# Altium PCB Dashcam_V2.0B.PcbDoc (part 6 of 8)
Units mil, origin at the board's own origin, x right, y up, seen from the top; angles counter-clockwise.
Board outline 3544.65 x 2560.37 mil, 8 copper layers (TOP, L2_GND, L3_IN1, L4_IN2, L5_PWR2, L6_PWR1, L7_GND_2, BOTTOM), stack 48.184 mil thick; 411 components, 365 nets, 2257 pads, 1045 vias.
Unrouted connection lines stored in the file: 2.
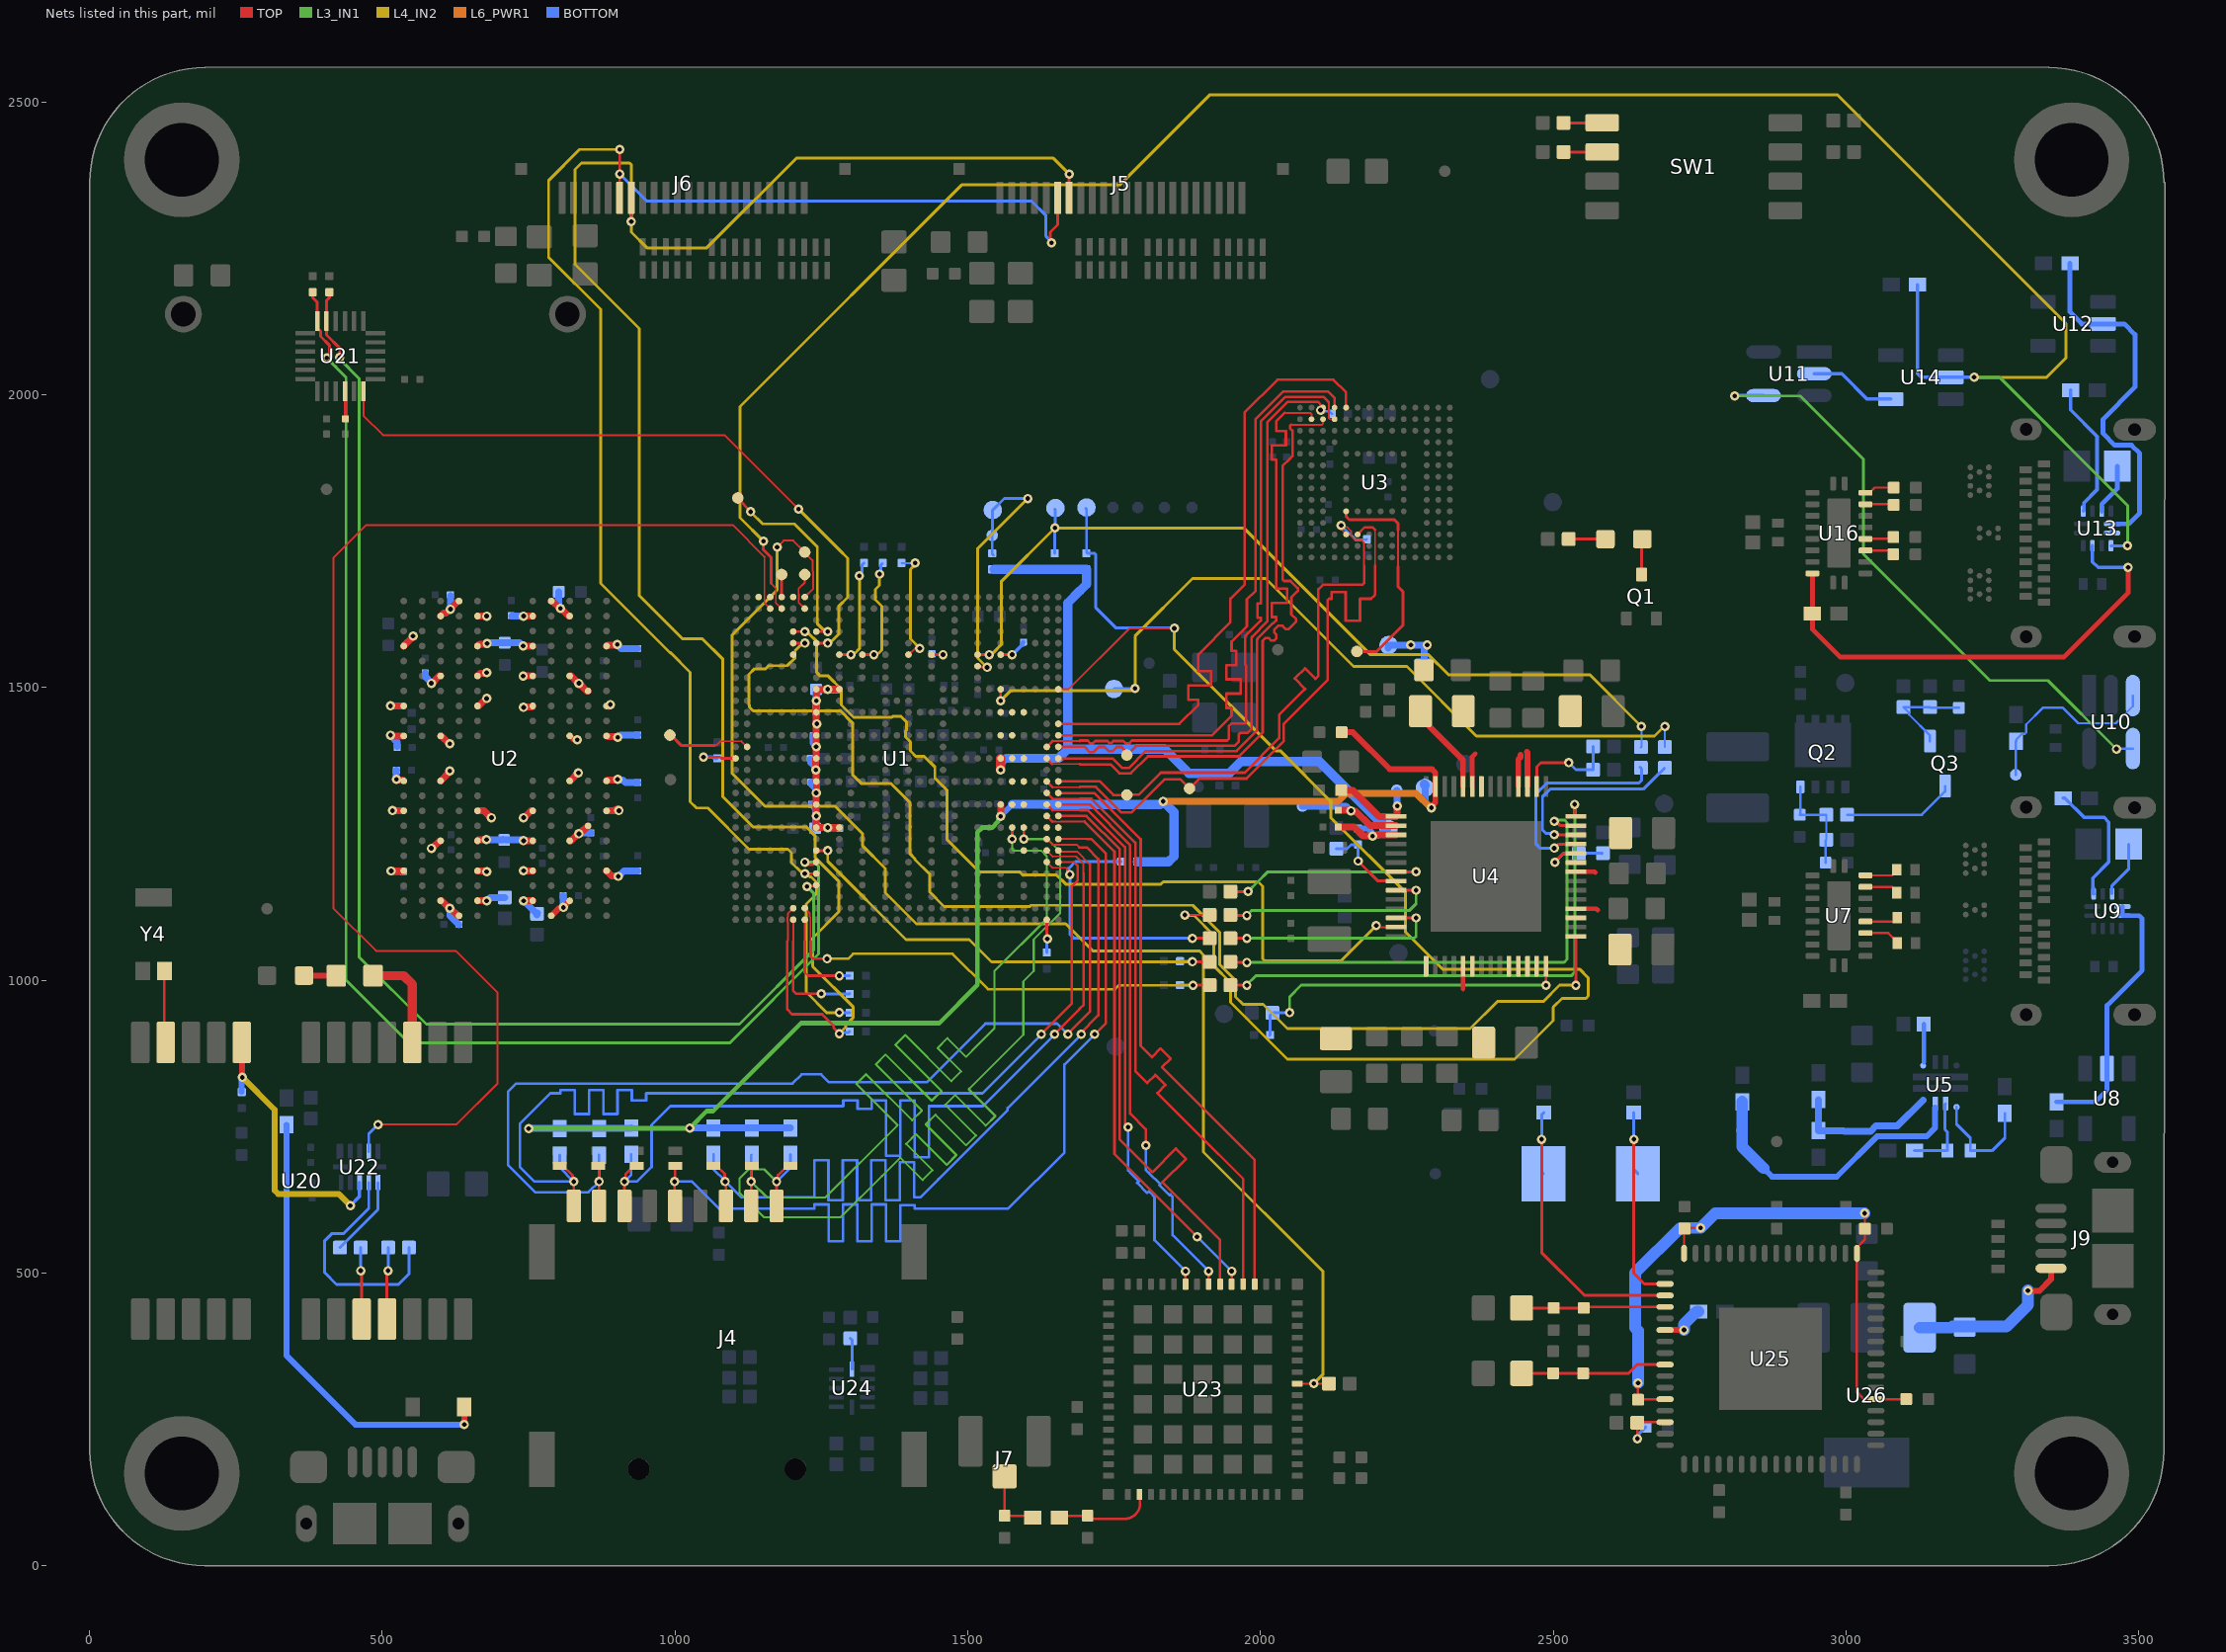
[diagram p12: the nets of this part, all layers, seen from the top]

## Via types
v1: diameter 15.98, hole 8, TOP to BOTTOM, tented both sides, 645 vias
v2: diameter 15.98, hole 7.99, TOP to BOTTOM, tented both sides, 382 vias
v3: diameter 15.98, hole 7.99, TOP to BOTTOM, 8 vias
v4: diameter 19.68, hole 7.87, TOP to BOTTOM, 6 vias
v5: diameter 19.68, hole 19.68, TOP to BOTTOM, 4 vias

## Nets (pads, with @x,y where several pads share a name; then routed paths per layer and width w, separated by ;. In a path a pad name is that pad's centre, name@x,y a point inside that pad or via, vN(x,y) a via of type N, cw(c..) or ccw(c..) an arc to the next point about the centre after c; other vN are vias at no path point) (continued)
GPIO1_IO00: R113.2 TP21.1 U1.A7 U23.42 | length 2413.9
  TOP w3.35: v1(1174.4,1739.97) 1185.41,1750.98 1201.88,1750.98 TP21.1@1221.57,1731.3 ; U1.A7@1221.57,1654.53 1236.22,1669.18 1236.22,1697.66 1234.63,1699.25 1234.63,1717.23 TP21.1@1221.57,1730.29 ; U23.42@2062.99,311.02 v1(2091,311.02) R113.2@2116.93,311.02
  L4_IN2 w5: v1(1174.4,1739.97) 1174.4,1666.52 1097.44,1589.57 1097.44,1353.35 1153.78,1297.01 1273.62,1297.01 ; 1272.64,1297.24 1273.39,1297.24 1319.88,1250.75 1319.88,1230.31 1359.25,1190.94 1359.25,1149.35 1412.14,1096.46 1667.32,1096.46 1713.58,1050.2 1895.67,1050.2 1902.56,1043.31 1902.56,706.69 2107.05,502.2 2107.05,327.07 2091.98,312.01 v1@2091.54,312.01
GPIO1_IO01: U1.E8 U21.12 | length 1150.6
  TOP w3.35: U21.12@467.64,2005.89 467.64,1964.45 500.98,1931.1 1084.69,1931.1 v1(1210.91,1804.89)
  TOP w4.72: U1.E8@1241.25,1575.79 v2(1260.74,1575.79)
  L4_IN2 w5: v1(1210.91,1804.89) 1280.17,1735.63 1295,1720.79 1295,1654 1279.53,1638.54 1279.53,1590.94 1267.57,1578.98 1266.9,1578.98 1262.92,1575 v2@1261,1575
GPIO1_IO05: U1.B4 U22.4 | length 2254.1
  TOP w3: 1152.61,1723.61 1152.61,1650.7 1152.83,1650.49 1152.83,1644.53
  TOP w3.35: v1@492.7,753.36 626.39,753.36 696.85,823.82 696.85,978.35 625,1050.2 489.17,1050.2 416.34,1123.03 416.34,1721.46 472.44,1777.56 1098.43,1777.56 1152.83,1723.16 ; 1152.83,1644.53 U1.B4@1162.51,1634.84
  BOTTOM w5: U22.4@476.87,707.67 476.87,737.61 v1(492.62,753.36)
GPIO1_IO06: U1.A3
GPIO1_IO07: U1.F6
GPIO1_IO10: TP31.1 U1.B7 | length 67.3
  TOP w3: 1211,1645.41 1211,1649.92 1211.59,1650.51 1211.59,1658.55 1211,1659.14 1211,1668.8
  TOP w3.35: 1211,1645.41 U1.B7@1221.57,1634.84 ; 1211,1668.8 1221.57,1679.36 TP31.1@1221.57,1692.91
GPIO1_IO11: TP32.1 U1.D8 | length 346.1
  TOP w4.72: TP32.1@1108.27,1824.8 1108.27,1821.85 1128.94,1801.18 v1(1128.94,1800.2) ; U1.D8@1241.25,1595.47 v2(1260.74,1595.47)
  L4_IN2 w4.72: v1(1128.94,1800.2) 1149.61,1779.53 1203.74,1779.53 1243,1740.27 1243,1609 1253.2,1598.8 1254.37,1598.8 1257.69,1595.47 v2(1260.74,1595.47)
GPIO1_IO12: TP33.1 U1.A5 | length 38.4
  TOP w5: U1.A5@1182.2,1654.53 TP33.1@1182.2,1692.91
GPIO1_IO13: U1.A6
GPIO1_IO14: U1.A4
GPIO1_IO15: R69.1 U1.B5 U13.9 U14.2 | length 3952.9
  TOP w3: 1164,1678 1172.29,1669.71 1172.29,1644.75 U1.B5@1182.2,1634.84
  TOP w5: v1(1151,1750) 1151,1735.13 1164,1722.13 1164,1678
  L3_IN1 w5: v1(3219,2030) 3262.24,2030 3481,1811.24 v1(3481,1742.13)
  L4_IN2 w5: v1(1151,1750) 1111,1790 1111,1980 1489.5,2358.5 1759.5,2358.5 1913,2512 2986,2512 3376,2122 3376,2063 3343,2030 3221,2030 v1@3219,2032
  BOTTOM w5: U13.9@3452.76,1742.13 v1(3481,1742.13)
  BOTTOM w6: R69.1@3122.64,2188 3122.64,2036 3128.64,2030 U14.2@3179.18,2030 v1(3219,2030)
GPS_ANT: U20.11 Y4.1 | length 124.1
  TOP w4.4: Y4.1@125,1015.75 127.46,1013.29 127.46,896.16 U20.11@129.92,893.7
GPS_RXD_3V3: R126.2 U22.8 | length 401.7
  BOTTOM w5: U22.8@476.87,654.53 476.87,610.3 433.5,566.93 413.39,566.93 401.57,555.12 401.57,500.43 421.69,480.32 527.56,480.32 545.28,498.03 R126.2@545.28,543.31
GPS_TXD_3V3: R125.2 U22.7 | length 138.1
  BOTTOM w5: R125.2@427.65,543.31 492.62,608.27 U22.7@492.62,654.53
I2C1_SCL: R16.2 R46.1 U1.AC8 | length 782.9
  TOP w4.72: U1.AC8@1241.15,1221.33 v2(1260.83,1221.33)
  TOP w5: v2(1883.8,1031.52) R46.1@1913.08,1031.52
  L4_IN2 w4.72: v2(1260.83,1221.33) 1260.83,1203.17 1394.43,1069.57 1502.28,1069.57 1540.33,1031.52 v2(1883.8,1031.52)
  BOTTOM w5: R16.2@1862.48,1032.55 1863,1032.04 1883.28,1032.04 v2(1883.8,1031.52)
I2C1_SDA: R17.2 R48.1 U1.AH7 | length 823.3
  TOP w3: 1230,1114.6 1230,1108.65 1231.28,1107.37 1231.28,1066.94 1231.7,1066.52
  TOP w3.35: U1.AH7@1221.57,1123.03 1230,1114.6
  TOP w4.4: 1231.7,1066.52 1231.7,1040.55 1235.7,1036.55 v2(1259.7,1036.55)
  TOP w5: v2(1884.8,991.52) R48.1@1913.08,991.52
  L4_IN2 w4.4: v2(1259.7,1036.55) 1295.41,1036.55 1303.86,1045 1474,1045 1534.2,984.8 1751.51,984.8 1758.23,991.52 v2(1884.8,991.52)
  BOTTOM w5: R17.2@1862.48,991.55 v2@1884.78,991.54
I2C2_SCL: J5.16 J6.16 R18.2 U1.AH6 | length 3230.3
  TOP w3: 1191.8,1066.52 1193,1067.72 1193,1098.5 1192.17,1099.33 1192.17,1107.37 1193,1108.19 1193,1114.15
  TOP w3.35: 1193,1114.15 U1.AH6@1201.88,1123.03
  TOP w4.4: 1191.8,1066.52 1191.8,950.02 1199.85,941.97 1251.33,941.97 1270.68,922.62 1270.68,919.51 1280.62,909.57 v2(1280.62,908.81)
  TOP w5: v1(925.2,2296) J6.16@925.2,2336.61 ; J5.16@1673.23,2336.61 v1(1673.23,2377)
  L4_IN2 w5: v2(1280.62,908.81) 1280.62,909.14 1291.41,919.93 1291.41,923.47 1304.49,936.54 1304.49,954 1235,1023.49 1235,1072 1279.53,1116.53 1279.53,1169.47 1238.93,1210.07 1238.93,1247.2 1224.13,1262 1133,1262 1081.69,1313.31 1081.69,1548.23 1046.92,1583 1013.06,1583 938.98,1657.08 938.98,2113.02 829,2223 829,2384.76 840.24,2396 922.27,2396 925.2,2393.07 v1(925.2,2296) 925.2,2277.8 952,2251 1054,2251 1207,2404 1646.23,2404 v1(1673.23,2377)
  BOTTOM w5: v2(1280.62,908.81) 1282.56,910.74 1296.43,910.74 R18.2@1298.36,912.68
I2C2_SDA: J5.17 J6.17 R19.2 U1.AE8 | length 2865.3
  TOP w4.72: v2(1221.57,1181.85) 1221.8,1182.09 U1.AE8@1241.25,1182.09
  TOP w5: J6.17@905.51,2336.61 v1(905.51,2377.23) v1(905.51,2419) ; v1(1642.95,2259.61) 1640.85,2261.71 1640.85,2272.55 1640.79,2272.6 1640.79,2277.6 1653.54,2290.35 J5.17@1653.54,2336.61
  L4_IN2 w4.72: v1(905.51,2419) 837,2419 784,2366 784,2235 873,2146 873,1678 992,1559 ; 992,1560 1026,1526 1026,1305 1036.83,1294.17 1055.83,1294.17 1126,1224 1193,1224 1199,1218 1199,1201.21 1214.79,1185.41 1214.96,1185.41 1218.52,1181.85 v2(1221.57,1181.85) 1224.62,1181.85 1229.91,1176.56 1232.2,1176.56 1241.78,1166.98 1241.78,1147.78 1224,1130 1224,979.87 1259.19,944.68 v2(1280.62,944.68)
  BOTTOM w5: v1@905,2376 906.74,2376 951.74,2331 1609,2331 1633,2307 1633,2271.57 1642.95,2261.63 v1(1642.95,2259.61) ; v2(1280.62,944.68) R19.2@1298.36,944.68
I2C3_SCL: R20.2 U1.AJ7 | length 169.2
  TOP w3.35: 1221.57,1066.52 U1.AJ7@1221.57,1103.35
  TOP w4.4: 1221.57,1066.52 1221.57,1013.25 1227.14,1007.68 v2(1280.62,1007.68)
  BOTTOM w5: v2(1280.62,1007.68) R20.2@1298.36,1007.68
I2C3_SDA: R21.2 U1.AJ6 | length 220.1
  TOP w3.35: 1201.88,1066.52 U1.AJ6@1201.88,1103.35
  TOP w4.4: 1201.88,1066.52 1201.88,981.94 1207.14,976.68 1249.68,976.68 v2(1250,977)
  BOTTOM w5: v2(1250,977) 1250.16,976.84 1297.74,976.84 R21.2@1298.08,977.18
I2C4_SCL: R133.1 U1.AF8 U21.23 | length 2166.6
  TOP w4.72: v2(1225.42,1160.2) 1226.52,1161.3 1240.15,1161.3 U1.AF8@1241.25,1162.4
  TOP w5: R133.1@409.45,2175.2 409.45,2165.81 404.64,2161 U21.23@404.64,2126.01 404.64,2102.21 427.07,2079.79 v1(427.07,2064.05)
  L3_IN1 w5: v1(427.07,2064.05) 427.07,2061.12 460,2028.19 460,1040 575,925 1110.04,925 1236.33,1051.3 1236.33,1149.21 1225.42,1160.12 v2(1225.42,1160.2)
I2C4_SDA: R132.1 U1.AD8 U21.24 | length 2317
  TOP w4.72: v2(1221.57,1201.77) 1224.62,1201.77 1229.04,1197.35 1235.14,1197.35 1239.57,1201.77 U1.AD8@1241.25,1201.77
  TOP w5: R132.1@381.02,2175.2 381.02,2165.81 388.9,2157.93 U21.24@388.9,2126.01 388.9,2114.03 394.42,2108.51 394.42,2099.8 409.45,2084.77 409.45,2067.31 v1(404.96,2062.82)
  L3_IN1 w5: v1(404.96,2062.82) 438,2029.78 438,1000.26 545.63,892.64 1093.15,892.64 1245.27,1044.76 1245.27,1194.69 1238.19,1201.77 v2(1221.57,1201.77)
NetC64_2: C64.2 U1.F24 | length 55.3
  TOP w4.72: U1.F24@1556.21,1556.1 v2(1575.9,1556.1)
  L3_IN1 w3.35: v2@1575.47,1554.52 v2@1576.05,1555.1
  BOTTOM w6: v2(1575.9,1556.1) 1592.14,1572.34 1592.14,1574.68 C64.2@1595.14,1577.69
  BOTTOM w7.87: C64.2@1593.07,1573.28 1593.07,1575.62 C64.2@1595.14,1577.69
NetC65_2: C65.2 U1.F18 | length 38.1
  TOP w4.72: U1.F18@1438.1,1556.1 v2(1457.79,1556.1)
  L3_IN1 w3.35: v2@1457.47,1555.52 v2@1458.05,1556.1
  BOTTOM w4.72: C65.2@1440.8,1557.52 1441.5,1556.82 1457.08,1556.82 v2(1457.79,1556.1)
NetC110_1: C110.1 TP41.1 U4.2 | length 197.2
  TOP w11.81: C110.1@2132.79,1290.52 2152.6,1290.52 2153.57,1289.55 v2(2154.7,1289.55) ; v2@2155.59,1289.55 v2(2154.7,1289.55) ; U4.2@2231.8,1264 2187.25,1264 2162.5,1288.75 2155.5,1288.75 v2(2154.7,1289.55)
  BOTTOM w11.81: TP41.1@2071.7,1297.55 2145.57,1297.55 2153.57,1289.55 v2(2154.7,1289.55)
NetC115_1: C115.1 TP43.1 U4.1 | length 158.7
  TOP w11.81: C115.1@2137.69,1324.52 2157.8,1324.52 2202.57,1279.75 U4.1@2231.8,1279.75 2232.9,1280.86 2232.9,1296.75 v2(2233.7,1297.55)
  BOTTOM w11.81: TP43.1@2232.7,1324.55 2233.2,1324.05 2233.2,1298.05 v2(2233.7,1297.55)
NetC138_2: C138.2 U5.7 | length 65
  BOTTOM w8: 3133.07,860.24 C138.2@3133.07,925.2
NetC139_2: C139.2 U7.19 | length 58.4
  TOP w4.02: U7.19@3033.47,1179.13 3078.74,1179.13 3086.61,1187.01 C139.2@3086.61,1188.98
NetC140_2: C140.2 U7.18 | length 58.4
  TOP w4.02: U7.18@3033.47,1159.45 3078.74,1159.45 3086.61,1151.57 C140.2@3086.61,1149.61
NetC141_2: C141.2 U7.15 | length 57.1
  TOP w4.02: U7.15@3033.47,1100.39 3081.75,1100.39 3087.61,1106.26 C141.2@3087.61,1106.74
NetC142_2: C142.2 U7.14 | length 62.5
  TOP w4.02: U7.14@3033.47,1080.71 3072.31,1080.71 3087.61,1065.4 C142.2@3087.61,1063.43
NetC146_1: C146.1 C147.1 Q2.G R59.1 R60.2 | length 175.7
  BOTTOM w4.02: Q2.G@2922.24,1330.32 2922.24,1283.66 C147.1@2921.26,1282.68 R60.2@2966.54,1282.68 R59.1@2966.54,1240.16 2965.35,1238.98 C146.1@2965.35,1200.79
NetC153_2: C153.2 Q3.G R62.2 R65.2 | length 172
  BOTTOM w4.02: Q3.G@3143.7,1408.27 3143.7,1417.91 3108.01,1453.6 3108.01,1456.95 R62.2@3098.43,1466.54 R65.2@3143.7,1466.54 3144.88,1465.35 C153.2@3192.91,1465.35
NetC192_2: C192.2 U21.10 | length 47.5
  TOP w5: U21.10@436.14,2005.89 436.89,2005.14 436.89,1970.17 436.57,1969.85 436.57,1959.49 C192.2@437.01,1959.06
NetC212_2: C212.2 C213.2 FB11.2 U25.9 | length 251.2
  TOP w5: FB11.2@2446.06,328.55 C212.2@2500,328.55 C213.2@2551.18,328.55 2628.74,328.55 2643.7,343.51 U25.9@2691.06,343.51
NetC214_2: C214.2 R156.1 U25.14 | length 100.4
  TOP w4.02: R156.1@2643.7,244.09 R156.1@2644.69,245.09
  TOP w4.4: v1@2643.7,217.3 R156.1@2643.7,244.09 ; R156.1@2644.69,245.09 U25.14@2691.06,245.09
  BOTTOM w5: v1(2644,217) 2646.29,219.29 2646.29,225.19 C214.2@2658.1,237
NetC215_2: C215.2 C216.2 FB12.2 U25.4 | length 245.7
  TOP w5: FB12.2@2446.06,440.16 C215.2@2501,440.16 C216.2@2552.18,440.16 2553.96,441.94 U25.4@2691.06,441.94
NetC218_2: C218.2 C219.2 C220.2 C221.2 U25.12 U25.37 U25.49 U25.64 | length 1171.8
  TOP w4.02: C218.2@2644.88,283.46 C218.2@2645.87,284.46 ; U25.64@2723.54,533.47 2723.54,574.72 2725.82,577 v1(2752,577) ; v1(3032,602) 3032.4,601.6 C221.2@3032.4,575.59 3032.4,556.9 3018.82,543.31 U25.49@3018.82,533.47 3018.82,296.18 3030.54,284.46 U25.37@3051.3,284.46 C220.2@3103.15,284.46
  TOP w4.4: C218.2@2644.88,283.46 2644.88,302.96 2643.7,304.14 2643.7,310.7 v1(2645,312) ; C218.2@2645.87,284.46 U25.12@2691.06,284.46
  BOTTOM w20: v1(2645,312) 2645,401.5 2640,406.5 2640,499.87 2717.13,577 v1(2752,577) 2777,602 v1(3032,602)
NetC222_2: C222.2 J9.1 U26.3 | length 286.9
  TOP w10: v1@3315.94,469.49 3330.71,469.49 3350.39,489.17 J9.1@3350.39,507.87
  BOTTOM w20: U26.3@3125.98,406.5 3180.12,406.5 3182.12,408.5 3273.87,408.5 3311,445.63 v1(3311,470)
NetC224_2: C224.2 U25.2 Y5.1 | length 397
  TOP w5: v1(2637.8,728.35) 2637.8,499.2 2655.69,481.31 U25.2@2691.06,481.31
  BOTTOM w5: C224.2@2637.8,774.02 v1(2637.8,728.35) 2637.8,676.56 Y5.1@2644.7,669.65
NetC225_2: C225.2 U25.3 Y5.2 | length 541.9
  TOP w5: v1(2480.32,728.35) 2480.32,534.69 2553.38,461.62 U25.3@2691.06,461.62
  BOTTOM w5: Y5.2@2483.28,669.65 2480.32,672.62 v1(2480.32,728.35) 2480.32,770.08 C225.2@2484.25,774.02
NetD1_1: D1.1 Q1.D | length 61.2
  TOP w5: Q1.D@2650.8,1692.92 2650.8,1752.02 D1.1@2652.29,1753.52
NetD1_2: D1.2 R15.1 | length 62.8
  TOP w5: R15.1@2526.51,1753.52 D1.2@2589.3,1753.52
NetD20_1: D20.1 R130.1 | length 777.3
  TOP w10: D20.1@639.8,271 639.9,270.9 639.9,241.1 v1(640,241)
  BOTTOM w10: R130.1@336,753.36 336,359 454,241 v1(640,241)
NetD21_2: D21.2 R131.2 | length 55.1
  TOP w10: D21.2@366.14,1007.87 R131.2@421.26,1007.87
NetL1_1: L1.1 U4.45 U4.46 | length 115.1
  TOP w10: U4.46@2440.46,1330.93 2440.46,1377.46 2444,1381 2444,1385 ; 2455,1390 2456.2,1388.8 U4.45@2456.2,1330.93
NetL2_1: L2.1 U4.36 U4.37 | length 33.6
  TOP w8: U4.36@2538.88,1185.26 2570.74,1185.26 2572,1184
NetL3_1: L3.1 U4.31 U4.32 | length 38.1
  TOP w8: U4.32@2538.88,1122.27 2573.73,1122.27 2576,1120
NetL4_1: L4.1 U4.19 U4.20 | length 38.9
  TOP w8: 2345.97,985.03 U4.19@2345.97,1023.84
NetL5_1: L5.1 U4.15
NetL6_1: L6.1 U4.50 U4.51 | length 58.3
  TOP w8: U4.51@2361.72,1330.93 2361.72,1381.72 2367,1387
NetQ3_D: Q3.D R60.1 | length 193.4
  BOTTOM w4.02: R60.1@3001.97,1282.68 3129.72,1282.68 3169.29,1322.24 Q3.D@3169.29,1331.89
NetR2_2: R2.2 U1.R1 | length 81.1
  TOP w5: v2(1048.57,1381.09) 1048.65,1381.18 1076.56,1381.18 1078.8,1378.94 1082.78,1378.94 U1.R1@1103.46,1378.94
  BOTTOM w5: v2(1048.57,1381.09) 1048.98,1381.51 1063.63,1381.51 1066.8,1378.34 1071.59,1378.34 R2.2@1072.14,1378.9
NetR3_1: R3.1 U1.F10 | length 188.3
  TOP w4.72: U1.F10@1280.62,1556.1 v2(1300.31,1556.1)
  L4_IN2 w4.72: v2(1300.31,1556.1) 1302.46,1558.26 1306.52,1558.26 1315.08,1566.82 1315.08,1690.63 v2(1314.71,1691)
  BOTTOM w5: v2(1314.71,1691) 1314.71,1693.97 1319.09,1698.35 1319.09,1709.03 R3.1@1322.8,1712.74
NetR5_1: R5.1 U1.F12 | length 193.2
  TOP w4.72: U1.F12@1319.99,1556.1 v2(1339.68,1556.1)
  L4_IN2 w4.72: v2(1339.68,1556.1) 1341.83,1558.26 1347.26,1558.26 1353,1564 1353,1638.99 1342.1,1649.89 1342.1,1667.52 1348.9,1674.33 1348.9,1693.44 v2(1349.29,1693.83)
  BOTTOM w5: v2(1349.29,1693.83) 1351.39,1695.93 1351.39,1709.12 R5.1@1353.8,1711.52
NetR6_2: R6.2 U1.AJ28 | length 57
  TOP w5: U1.AJ28@1634.95,1103.35 1634.95,1071.52 v2(1635.98,1070.49)
  BOTTOM w5: R6.2@1634.8,1047.3 1635.39,1047.89 1635.39,1069.9 v2(1635.98,1070.49)
NetR35_1: R35.1 R36.1 U4.44 | length 179.2
  TOP w5: U4.44@2471.95,1330.93 2471.95,1364.8 2478.7,1371.55 v2(2526.7,1371.55)
  BOTTOM w5: v2@2525.7,1372.55 v2(2526.7,1371.55) 2538.73,1359.52 R36.1@2568.08,1359.52 R35.1@2568.08,1399.52
NetR37_1: R37.1 R38.1 U4.38 | length 129.7
  TOP w5: v2@2501.8,1200.52 2501.8,1201.52 2516.8,1216.52 2538.65,1216.52 U4.38@2538.88,1216.76
  BOTTOM w5: v2(2502.8,1201.52) 2517.8,1216.52 R38.1@2541.8,1216.52 ; R38.1@2543.8,1216.8 2583.51,1216.8 R37.1@2583.8,1216.52
NetR39_2: R39.2 U4.12 | length 389.1
  TOP w5: R39.2@1946.8,1073.52 1948.8,1071.52 v2(1976.8,1071.52) ; U4.12@2231.8,1106.52 v2(2265.8,1106.52)
  L3_IN1 w5: v2@1974.49,1071.83 2262.87,1071.83 2265.8,1074.76 v2(2265.8,1106.52)
NetR40_2: R40.2 R41.2 U4.8 | length 146.9
  TOP w5: v2(2166.8,1203.52) 2200.8,1169.51 U4.8@2231.8,1169.51
  BOTTOM w5: R41.2@2129.8,1224.8 2148.08,1224.8 2154.8,1231.52 2166.8,1231.52 v2(2166.8,1203.52)
NetR42_2: R42.2 U4.39 | length 370.8
  TOP w5: v2@2502.8,1226.52 2503.77,1226.52 2509.75,1232.5 U4.39@2538.88,1232.5
  BOTTOM w5: v2(2501.8,1225.52) 2477.8,1225.52 2470.8,1232.52 2470.8,1318.52 2488.8,1336.52 2645.8,1336.52 2650.8,1341.52 2650.8,1361.52 R42.2@2648.8,1363.52
NetR43_2: R43.2 U4.40 | length 346.2
  TOP w5: v2(2501.8,1248.52) 2502.06,1248.25 U4.40@2538.88,1248.25
  BOTTOM w5: v2(2501.8,1248.52) 2499.69,1250.62 2487.69,1250.62 2481.8,1256.52 2481.8,1313.52 2494.8,1326.52 2653.8,1326.52 2680.77,1353.49 2681.48,1353.49 2689.8,1361.8 R43.2@2689.8,1362.52
NetR44_2: R44.2 R45.2 U4.28 | length 573
  TOP w5: U4.28@2487.7,1023.84 2487.7,991.61 v2(2487.8,991.52)
  L3_IN1 w5: v2(2049.8,944.52) 2049.8,971.52 2069.8,991.52 v2(2487.8,991.52)
  BOTTOM w5: R45.2@2015.8,905.52 2016.57,906.3 R45.2@2016.57,906.52 2016.57,940.58 R44.2@2020.51,944.52 ; R44.2@2023.8,945.52 2024.8,944.52 v2(2049.8,944.52)
NetR46_2: R46.2 U4.41 | length 874.8
  TOP w5: R46.2@1949.8,1030.52 v2(1976.8,1030.52) ; v2(2501.8,1271.52) 2504.77,1271.52 2512.29,1264 U4.41@2538.88,1264
  L3_IN1 w5: v2(1976.8,1030.52) 2518.8,1030.52 2523.8,1035.52 2523.8,1269.52 2519.69,1273.62 2503.9,1273.62 v2(2501.8,1271.52)
NetR47_1: R47.1 U4.9 | length 382.7
  TOP w5: R47.1@1949.8,1112.52 1951.8,1110.52 v2(1976.8,1110.52) ; U4.9@2231.8,1153.76 v2(2265.8,1153.76)
  L3_IN1 w5: v2(1976.8,1110.52) 1976.8,1111.1 1985.22,1119.52 2254.8,1119.52 2265.8,1130.52 v2(2265.8,1153.76)
NetR48_2: R48.2 U4.42 | length 909.4
  TOP w5: R48.2@1946.8,988.52 1949.8,991.52 v2@1975.8,991.52 ; v2(2536.8,1300.52) 2536.8,1281.19 2538.23,1279.75 U4.42@2538.88,1279.75
  L3_IN1 w5: v2@1975.8,991.52 1991.8,1007.52 2530.8,1007.52 2536.8,1013.52 v2(2536.8,1300.52)
  other v2: 1976.8,991.52
NetR49_1: R49.1 U4.7 | length 365
  TOP w5: R49.1@1948.8,1151.52 v2(1978.8,1151.52) ; U4.7@2231.8,1185.26 v2(2265.8,1185.26)
  L3_IN1 w5: v2(1978.8,1151.52) 1995.22,1167.94 2012.54,1185.26 v2(2265.8,1185.26)
NetR51_1: R51.1 R54.2 U5.1 | length 194.7
  BOTTOM w5: U5.1@3188.98,783.46 3188.98,754.02 3212.6,730.4 R54.2@3212.6,708.66 3249.66,708.66 3271.65,730.65 R51.1@3271.65,772.64
NetR52_1: R52.1 R55.2 U5.4 | length 254.7
  BOTTOM w11.81: R52.1@2952.76,796.26 R55.2@2952.76,743.11 2996.33,743.11 2997.28,742.17 3042.38,742.17 3051.33,751.11 3087.72,751.11 U5.4@3131.89,795.28
NetR53_1: R53.1 TP29.1 U5.3 | length 496.9
  BOTTOM w10: 2859.25,679.13 2874.02,664.37 2984.25,664.37 3053.15,733.27 3137.8,733.27 3152.56,748.03 U5.3@3152.56,782.56
  BOTTOM w20: R53.1@2822.83,792.32 TP29.1@2822.83,743.11 2822.83,715.55 2859.25,679.13
NetR54_1: R54.1 R56.2 U5.2 | length 139.1
  BOTTOM w5: R56.2@3117.13,708.66 R54.1@3173.23,708.66 3173.23,740.77 3169,745 3169,788.09 U5.2@3170.28,789.37
NetR58_1: R58.1 U8.2 U9.7 U9.8 | length 463.9
  BOTTOM w8: R58.1@3360,792 3426,792 3446,812 U8.2@3446,849.18 3446,957 3506,1017 3506,1105.55 3501.31,1110.24 U9.8@3472.44,1110.24 U9.7@3472.44,1125.98
NetR61_1: R61.1 U9.3 | length 229.2
  BOTTOM w6: R61.1@3371.06,1311.02 3374.02,1311.02 3407.04,1278 3441,1278 3449,1270 3449,1201.95 3421.74,1174.69 3421.74,1158.78 3422.29,1158.23 3422.29,1148.57 U9.3@3423.23,1147.64
NetR63_2: R63.2 U9.5 | length 96.5
  BOTTOM w5: U9.5@3454.72,1147.64 3454.72,1161.72 3483.27,1190.27 R63.2@3483.27,1232.28
NetR64_1: R64.1 TP30.1 U10.3 | length 331.2
  BOTTOM w4.02: TP30.1@3290,1351 3290,1407.36 R64.1@3291,1408.36 3291,1411.1 3300.8,1420.9 3305.52,1420.9 3307.87,1423.25 3307.87,1436.87 3336.35,1465.35 3370.65,1465.35 3397,1439 3461,1439 3490.16,1468.16 U10.3@3490.16,1486.24
NetR66_1: R66.1 U12.2 U13.7 U13.8 | length 651.9
  BOTTOM w8: R66.1@3382.64,2225 3382.64,2141.36 3403,2121 U12.2@3439.18,2121 3476,2121 3494,2103 3494,2013 3439.18,1958.18 3439.18,1933.82 3459.09,1913.91 3488.06,1913.91 3501.69,1900.29 3501.69,1797.87 3483.35,1779.53 U13.7@3454.72,1779.53 U13.8@3454.72,1763.78
NetR67_2: R67.2 U13.5 | length 87.8
  BOTTOM w8: U13.5@3437.01,1801.18 3437.07,1801.24 3437.07,1812.87 3463.58,1839.38 R67.2@3463.58,1877.95
NetR68_1: R68.1 U13.3 | length 235.1
  BOTTOM w6: R68.1@3383.86,2007.87 3383.86,1974.14 3429,1929 3429,1838 3406.45,1815.45 3406.45,1802.12 U13.3@3405.51,1801.18
NetR70_1: R70.1 U13.11 U16.9 | length 835.5
  TOP w8: U16.9@2942.91,1694.88 R70.1@2942.91,1625.98 2942.91,1599.41 2990.16,1552.17 3373.03,1552.17 3482,1661.13 3482,1703.46 v1@3483.27,1704.72
  BOTTOM w6: U13.11@3421.26,1742.13 3421.26,1714.74 3431,1705 v1(3482,1705)
NetR125_1: R125.1 U20.20 | length 122.7
  TOP w5: v1(463.09,503.84) 464.57,502.36 U20.20@464.57,421.26
  BOTTOM w5: v1(463.09,503.84) R125.1@463.09,543.31
NetR126_1: R126.1 U20.21 | length 122.9
  TOP w5: U20.21@507.87,421.26 507.87,501.87 v1(509.84,503.84)
  BOTTOM w5: v1(509.84,503.84) R126.1@509.84,543.31
NetR138_1: R138.1 SW1.6 | length 65.9
  TOP w5: R138.1@2517.72,2414.76 SW1.6@2583.66,2414.76
NetR139_1: R139.1 SW1.5 | length 66
  TOP w5: R139.1@2517.72,2464.57 2583.46,2464.57 SW1.5@2583.66,2464.76
NetR154_2: R154.2 U24.12 | length 53.8
  BOTTOM w5: R154.2@1299.48,388.29 1302.16,385.6 U24.12@1302.16,335.63
NetR155_2: R155.2 U25.6 | length 66.1
  TOP w10: U25.6@2700.83,402.57 v1(2723.54,402.57)
  BOTTOM w20: v1(2723.54,402.57) 2723.54,412.27 2745.28,434 R155.2@2748.23,434
NetTP4_1: TP4.1 U1.P2 | length 144.6
  TOP w3: 1077.8,1408.33 1113.43,1408.33
  TOP w3.35: 1067.8,1400.68 1068.14,1400.68 1070.14,1400.68 1077.8,1408.33 ; 1113.43,1408.33 U1.P2@1123.14,1398.62
  TOP w5: TP4.1@993.14,1418.68 1011.14,1400.68 1066.8,1400.68 1067.8,1400.68
NetTP28_1: TP28.1 U3.K5 | length 377.4
  TOP w3.35: 2234.7,1706.55 2234.7,1768.76
  TOP w5: U3.K5@2146.22,1800.92 2146.22,1792.03 2151.64,1786.61 2228.64,1786.61 2234.7,1780.55 2234.7,1768.76 ; TP28.1@2164.7,1561.55 2198.55,1561.55 2243.7,1606.7 2243.7,1663.61 2234.7,1672.61 2234.7,1706.55